# Altium PCB Audio-Beamformer_V1.0.PcbDoc (part 7 of 11)
Units mm, origin at the board's own origin, x right, y up, seen from the top; angles counter-clockwise.
Board outline 300 x 376 mm, 2 copper layers (Top Layer, Bottom Layer), stack 1.548 mm thick; 1137 components, 629 nets, 3569 pads, 2808 vias.
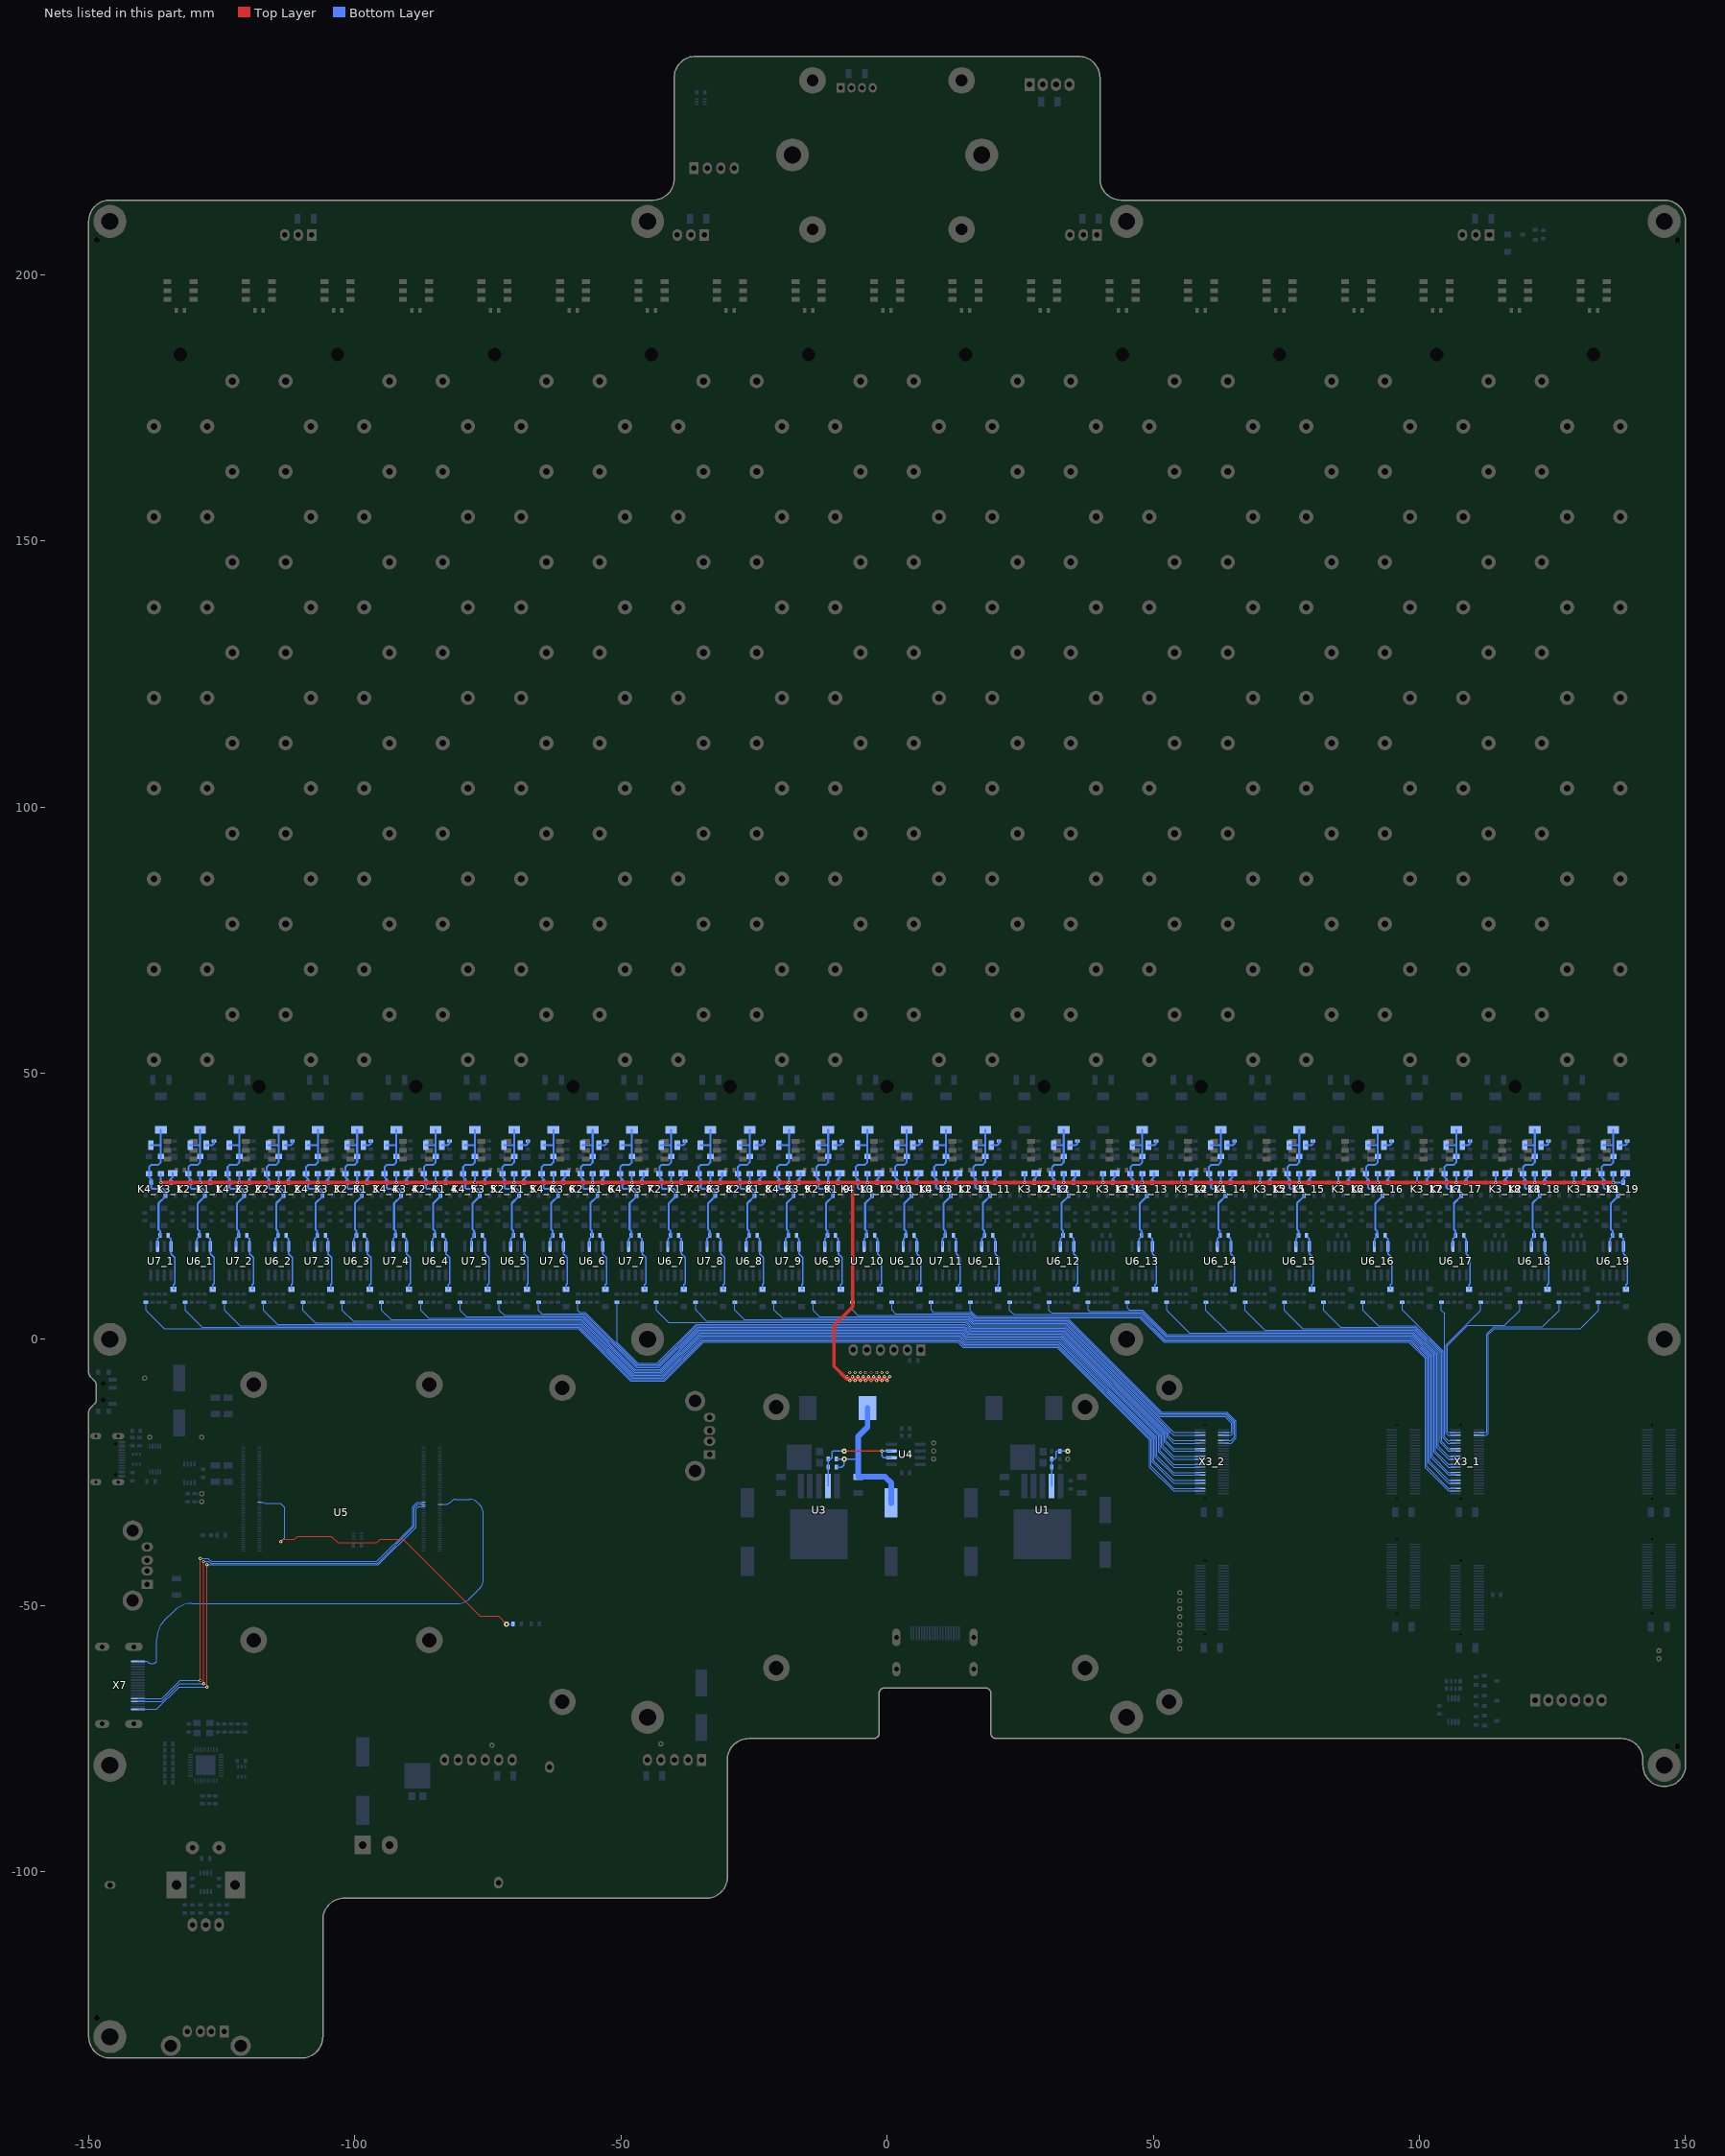
[diagram p7: the nets of this part, all layers, seen from the top]

## Via types
v1: diameter 0.62, hole 0.3, Top Layer to Bottom Layer, tented both sides, 2808 vias

## Nets (pads, with @x,y where several pads share a name; then routed paths per layer and width w, separated by ;. In a path a pad name is that pad's centre, name@x,y a point inside that pad or via, vN(x,y) a via of type N, cw(c..) or ccw(c..) an arc to the next point about the centre after c; other vN are vias at no path point) (continued)
HDMI1_D2_P: U5.146 X7.1 | length 97.4
  Bottom Layer w0.152: X7.1@-140.74,-60.5 -139.283,-60.5 cw(c-139.283,-61.183) -138.8,-60.7 ccw(c-138.413,-60.313) -138.413,-60.86 -137.787,-60.86 ccw(c-137.787,-60.313) -137.4,-60.7 ccw(c-137.883,-60.217) -137.2,-60.217 -137.2,-56.279 cw(c-132.323,-56.279) -135.772,-52.831 -133.99,-51.049 cw(c-130.541,-54.497) -130.541,-49.621 -126.5,-49.621 -81,-49.621 -80.551,-49.621 ccw(c-80.551,-46.7) -78.486,-48.765 -76.676,-46.956 ccw(c-78.742,-44.89) -75.821,-44.89 -75.821,-32.989 ccw(c-78.742,-32.989) -76.676,-30.924 -76.9,-30.7 ccw(c-78.494,-32.294) -78.494,-30.04 -81,-30.04 ccw(c-81,-31.114) -81.759,-30.354 -82.06,-30.655 cw(c-82.748,-29.967) -82.748,-30.94 -82.75,-30.94 -83.315,-30.94 -83.39,-30.94 ccw(c-83.39,-31.04) -83.46,-30.969 cw(c-83.535,-30.894) -83.535,-31 U5.146@-84,-31
HDMI1_HPLG: U5.143 X7.19 | length 84.9
  Top Layer w0.152: v1(-127.8,-65.3) v1(-127.8,-42.35)
  Bottom Layer w0.152: X7.19@-140.74,-69.5 -137.2,-69.5 -133,-65.3 v1(-127.8,-65.3) ; v1(-127.8,-42.35) -95.577,-42.35 -88.5,-35.273 -88.5,-31.8 -88.1,-31.4 U5.143@-87.08,-31.4
HDMI1_SCL: U5.147 X7.15 | length 85
  Top Layer w0.152: v1(-129,-64.1) v1(-129,-41.15)
  Bottom Layer w0.152: X7.15@-140.74,-67.5 -136.2,-67.5 -132.8,-64.1 v1(-129,-64.1) ; v1(-129,-41.15) -127.55,-41.15 -126.95,-41.75 -95.826,-41.75 -89.1,-35.024 -89.1,-31.4 -88.3,-30.6 U5.147@-87.08,-30.6
HDMI1_SDA: U5.145 X7.16 | length 84.8
  Top Layer w0.152: v1(-128.4,-64.7) v1(-128.4,-41.75)
  Bottom Layer w0.152: X7.16@-140.74,-68 -136.2,-68 -132.9,-64.7 v1(-128.4,-64.7) ; v1(-128.4,-41.75) -127.4,-41.75 -127.1,-42.05 -95.701,-42.05 -88.8,-35.149 -88.8,-31.6 -88.2,-31 U5.145@-87.08,-31
HI1: R12_1.1 X3_2.49 | length 222.7
  Bottom Layer w0.152: R12_1.1@-139.225,6.988 -139.225,5.45 -135.781,2.006 -58.048,2.006 -48.189,-7.853 -41.811,-7.853 -34.458,-0.5 13.292,-0.5 14.301,-1.509 31.909,-1.509 49.309,-18.909 49.309,-24.009 53.8,-28.5 X3_2.49@58.8,-28.5
HI2: R12_2.1 X3_2.46 | length 206.9
  Bottom Layer w0.152: R12_2.1@-124.475,6.988 -124.475,5.45 -121.59,2.565 -57.816,2.565 -47.957,-7.294 -42.043,-7.294 -34.69,0.059 13.524,0.059 14.533,-0.95 32.14,-0.95 49.868,-18.678 49.868,-23.068 53.8,-27 X3_2.46@58.8,-27
HI3: R12_3.1 X3_2.43 | length 191.1
  Bottom Layer w0.152: R12_3.1@-109.725,6.988 -109.725,5.45 -107.399,3.124 -57.585,3.124 -47.726,-6.735 -42.274,-6.735 -34.921,0.618 13.755,0.618 14.764,-0.391 32.372,-0.391 50.427,-18.446 50.427,-22.127 53.8,-25.5 X3_2.43@58.8,-25.5
HI4: R12_4.1 X3_2.40 | length 175.3
  Bottom Layer w0.152: R12_4.1@-94.975,6.988 -94.975,5.45 -93.207,3.682 -57.353,3.682 -47.494,-6.176 -42.506,-6.176 -35.153,1.176 13.987,1.176 14.995,0.168 32.603,0.168 50.985,-18.215 50.985,-21.185 53.8,-24 X3_2.40@58.8,-24
HI5: R12_5.1 X3_2.37 | length 159.6
  Bottom Layer w0.152: R12_5.1@-80.225,6.988 -80.225,5.45 -79.016,4.241 -57.122,4.241 -47.263,-5.618 -42.737,-5.618 -35.384,1.735 14.218,1.735 15.227,0.727 32.834,0.727 51.544,-17.983 51.544,-20.244 53.8,-22.5 X3_2.37@58.8,-22.5
HI6: R12_6.1 X3_2.34 | length 143.8
  Bottom Layer w0.152: R12_6.1@-65.475,6.988 -65.475,5.45 -64.825,4.8 -56.89,4.8 -47.031,-5.059 -42.969,-5.059 -35.616,2.294 14.45,2.294 15.458,1.285 33.066,1.285 52.103,-17.752 52.103,-19.303 53.8,-21 X3_2.34@58.8,-21
HI7: R12_7.1 X3_2.31 | length 131.5
  Bottom Layer w0.152: R12_7.1@-50.725,6.988 -50.725,-0.575 -46.8,-4.5 -43.2,-4.5 -35.847,2.853 14.681,2.853 15.69,1.844 33.297,1.844 52.662,-17.52 52.662,-18.362 53.8,-19.5 X3_2.31@58.8,-19.5
HI8: R12_8.1 X3_2.28 | length 106.1
  Bottom Layer w0.152: R12_8.1@-35.975,6.988 -35.975,5.475 -33.912,3.412 14.913,3.412 15.921,2.403 33.529,2.403 53.221,-17.289 53.221,-17.421 53.8,-18 X3_2.28@58.8,-18
HI9: R12_9.1 X3_2.24 | length 99.4
  Bottom Layer w0.152: R12_9.1@-21.225,6.988 -21.225,5.525 -19.67,3.97 15.149,3.97 16.137,2.982 33.768,2.982 51.25,-14.5 63.5,-14.5 64.709,-15.709 64.709,-17.391 64.6,-17.5 X3_2.24@63.2,-17.5
HI10: R12_10.1 X3_2.21 | length 87.1
  Bottom Layer w0.152: R12_10.1@-6.475,6.988 -6.475,5.475 -5.529,4.529 15.381,4.529 16.369,3.541 33.999,3.541 51.481,-13.941 63.731,-13.941 65.268,-15.478 65.268,-18.332 64.6,-19 X3_2.21@63.2,-19
HI11: R12_11.1 X3_1.49 | length 126.1
  Bottom Layer w0.152: R12_11.1@8.275,6.988 8.275,5.5 8.687,5.088 15.612,5.088 16.6,4.1 47.39,4.1 52.001,-0.511 98.011,-0.511 101.1,-3.6 101.1,-24.1 105.5,-28.5 X3_1.49@106.8,-28.5
HI12: R12_12.1 X3_1.46 | length 110.4
  Bottom Layer w0.152: R12_12.1@23.025,6.988 23.025,5.45 23.813,4.662 47.638,4.662 52.238,0.062 98.248,0.062 101.659,-3.349 101.659,-23.159 105.5,-27 X3_1.46@106.8,-27
HI13: R12_13.1 X3_1.43 | length 94.5
  Bottom Layer w0.152: R12_13.1@37.775,6.988 37.775,5.525 38.079,5.221 47.87,5.221 52.47,0.621 98.48,0.621 102.218,-3.117 102.218,-22.218 105.5,-25.5 X3_1.43@106.8,-25.5
HI14: R12_14.1 X3_1.40 | length 78.8
  Bottom Layer w0.152: R12_14.1@52.525,6.988 52.525,5.45 56.796,1.179 98.711,1.179 102.776,-2.886 102.776,-21.276 105.5,-24 X3_1.40@106.8,-24
HI15: R12_15.1 X3_1.37 | length 63
  Bottom Layer w0.152: R12_15.1@67.275,6.988 67.275,5.45 70.987,1.738 98.943,1.738 103.335,-2.654 103.335,-20.335 105.5,-22.5 X3_1.37@106.8,-22.5
HI16: R12_16.1 X3_1.34 | length 47.2
  Bottom Layer w0.152: R12_16.1@82.025,6.988 82.025,5.45 85.178,2.297 99.174,2.297 103.894,-2.423 103.894,-19.394 105.5,-21 X3_1.34@106.8,-21
HI17: R12_17.1 X3_1.31 | length 31.5
  Bottom Layer w0.152: R12_17.1@96.775,6.988 96.775,5.486 104.453,-2.191 104.453,-18.553 105.4,-19.5 X3_1.31@106.8,-19.5
HI18: R12_18.1 X3_1.28 | length 29.2
  Bottom Layer w0.152: X3_1.28@106.8,-18 105.4,-18 105.012,-17.612 105.012,-1.063 111.525,5.45 R12_18.1@111.525,6.988
HI19: R12_19.1 X3_1.24 | length 36.9
  Bottom Layer w0.152: X3_1.24@111.2,-17.5 112.6,-17.5 112.709,-17.391 112.709,1.009 114.021,2.321 123.146,2.321 126.275,5.45 R12_19.1@126.275,6.988
HV: C10.2 C11.2 C12.P C25_1.2 C25_2.2 C25_3.2 C25_4.2 C25_5.2 C25_6.2 C25_7.2 C25_8.2 C25_9.2 C25_10.2 C25_11.2 C25_12.2 C25_13.2 C25_14.2 C25_15.2 C25_16.2 C25_17.2 C25_18.2 C25_19.2 C29_1.2 C29_2.2 C29_3.2 C29_4.2 C29_5.2 C29_6.2 C29_7.2 C29_8.2 C29_9.2 C29_10.2 C29_11.2 C29_12.2 C29_13.2 C29_14.2 C29_15.2 C29_16.2 C29_17.2 C29_18.2 C29_19.2 D6_1.K D6_2.K D6_3.K D6_4.K D6_5.K D6_6.K D6_7.K D6_8.K D6_9.K D6_10.K D6_11.K D6_12.K D6_13.K D6_14.K D6_15.K D6_16.K D6_17.K D6_18.K D6_19.K D11_1.K D11_2.K D11_3.K D11_4.K D11_5.K D11_6.K D11_7.K D11_8.K D11_9.K D11_10.K D11_11.K D11_12.K D11_13.K D11_14.K D11_15.K D11_16.K D11_17.K D11_18.K D11_19.K K1_1.D K1_2.D K1_3.D K1_4.D K1_5.D K1_6.D K1_7.D K1_8.D K1_9.D K1_10.D K1_11.D K1_12.D K1_13.D K1_14.D K1_15.D K1_16.D K1_17.D K1_18.D K1_19.D K3_1.D K3_2.D K3_3.D K3_4.D K3_5.D K3_6.D K3_7.D K3_8.D K3_9.D K3_10.D K3_11.D K3_12.D K3_13.D K3_14.D K3_15.D K3_16.D K3_17.D K3_18.D K3_19.D L2.1 R5.2 TP8.1 | length 557.8
  Top Layer w0.635: v1(-136.445,29.443) v1(-129.07,29.443) v1@-121.697,29.443 ; v1(-121.695,29.443) v1(-114.32,29.443) v1@-106.947,29.443 ; v1(-106.945,29.443) v1@-99.571,29.443 ; v1(-99.57,29.443) v1(-92.195,29.443) ; v1(-92.195,29.443) v1@-84.821,29.443 ; v1(-84.82,29.443) v1(-77.445,29.443) v1(-70.07,29.443) v1@-62.697,29.443 ; v1(-62.695,29.443) v1(-55.32,29.443) v1(-47.945,29.443) ; v1(-47.945,29.443) v1(-40.57,29.443) v1(-33.195,29.443) ; v1(-33.195,29.443) v1(-25.82,29.443) v1(-18.445,29.443) ; v1(-18.445,29.443) v1(-11.07,29.443) v1@-3.697,29.443 ; -6.5,29.4 -6.5,6.1 -10,2.6 -10,-5 -7.5,-7.5 v1@0,-7.5 ; v1(-3.695,29.443) v1(3.68,29.443) v1@11.053,29.443 ; v1(11.055,29.443) v1(18.43,29.443) v1@25.803,29.443 ; v1(25.805,29.443) v1(33.18,29.443) ; v1(33.18,29.443) v1@40.554,29.443 ; v1(40.555,29.443) v1(47.93,29.443) ; v1(47.93,29.443) v1(55.305,29.443) ; v1(55.305,29.443) v1(62.68,29.443) ; v1(62.68,29.443) v1(70.055,29.443) ; v1(70.055,29.443) v1@77.429,29.443 ; v1(77.43,29.443) v1(84.805,29.443) ; v1(84.805,29.443) v1(92.18,29.443) v1@99.553,29.443 ; v1(99.555,29.443) v1(106.93,29.443) v1@114.303,29.443 ; v1(114.305,29.443) v1(121.68,29.443) v1(129.055,29.443) ; v1(129.055,29.443) v1(136.43,29.443)
  Bottom Layer w0.254: C10.2@-9.538,-24 -8.5,-24 -8.05,-23.55 TP8.1@-8.05,-22.5 ; R5.2@-9.538,-22.5 TP8.1@-8.05,-22.5 ; -5.488,-22.5 TP8.1@-8.05,-22.5
  Bottom Layer w0.381: D11_1.K@-136.438,31.13 -136.438,29.45 K3_1.D@-134.594,29.45 -134.594,30.131 -134.225,30.5 C29_1.2@-134.225,31.226 ; D6_1.K@-129.063,31.13 -129.063,29.45 K1_1.D@-127.219,29.45 -127.219,30.131 -126.85,30.5 C25_1.2@-126.85,31.226 ; D11_2.K@-121.688,31.13 -121.688,29.45 K3_2.D@-119.844,29.45 -119.844,30.131 -119.475,30.5 C29_2.2@-119.475,31.226 ; D6_2.K@-114.312,31.13 -114.312,29.45 K1_2.D@-112.469,29.45 -112.469,30.131 -112.1,30.5 C25_2.2@-112.1,31.226 ; D11_3.K@-106.938,31.13 -106.938,29.45 K3_3.D@-105.094,29.45 -105.094,30.131 -104.725,30.5 C29_3.2@-104.725,31.226 ; D6_3.K@-99.563,31.13 -99.563,29.45 K1_3.D@-97.719,29.45 -97.719,30.131 -97.35,30.5 C25_3.2@-97.35,31.226 ; D11_4.K@-92.188,31.13 -92.188,29.45 K3_4.D@-90.344,29.45 -90.344,30.131 -89.975,30.5 C29_4.2@-89.975,31.226 ; D6_4.K@-84.812,31.13 -84.812,29.45 K1_4.D@-82.969,29.45 ; K1_4.D@-82.969,29.45 -82.969,30.131 -82.6,30.5 C25_4.2@-82.6,31.226 ; D11_5.K@-77.438,31.13 -77.438,29.45 K3_5.D@-75.594,29.45 -75.594,30.131 -75.225,30.5 C29_5.2@-75.225,31.226 ; D6_5.K@-70.062,31.13 -70.062,29.45 K1_5.D@-68.219,29.45 -68.219,30.131 -67.85,30.5 C25_5.2@-67.85,31.226 ; D11_6.K@-62.688,31.13 -62.688,29.45 K3_6.D@-60.844,29.45 -60.844,30.131 -60.475,30.5 C29_6.2@-60.475,31.226 ; D6_6.K@-55.313,31.13 -55.313,29.45 K1_6.D@-53.469,29.45 -53.469,30.131 -53.1,30.5 C25_6.2@-53.1,31.226 ; D11_7.K@-47.938,31.13 -47.938,29.45 K3_7.D@-46.094,29.45 -46.094,30.131 -45.725,30.5 C29_7.2@-45.725,31.226 ; D6_7.K@-40.562,31.13 -40.562,29.45 K1_7.D@-38.719,29.45 -38.719,30.131 -38.35,30.5 C25_7.2@-38.35,31.226 ; D11_8.K@-33.188,31.13 -33.188,29.45 K3_8.D@-31.344,29.45 -31.344,30.131 -30.975,30.5 C29_8.2@-30.975,31.226 ; D6_8.K@-25.813,31.13 -25.813,29.45 K1_8.D@-23.969,29.45 -23.969,30.131 -23.6,30.5 C25_8.2@-23.6,31.226 ; D11_9.K@-18.438,31.13 -18.438,29.45 K3_9.D@-16.594,29.45 -16.594,30.131 -16.225,30.5 C29_9.2@-16.225,31.226 ; D6_9.K@-11.063,31.13 -11.063,29.45 K1_9.D@-9.219,29.45 -9.219,30.131 -8.85,30.5 C25_9.2@-8.85,31.226 ; D11_10.K@-3.688,31.13 -3.688,29.45 K3_10.D@-1.844,29.45 -1.844,30.131 -1.475,30.5 C29_10.2@-1.475,31.226 ; D6_10.K@3.688,31.13 3.688,29.45 K1_10.D@5.531,29.45 5.531,30.131 5.9,30.5 C25_10.2@5.9,31.226 ; D11_11.K@11.063,31.13 11.063,29.45 K3_11.D@12.906,29.45 12.906,30.131 13.275,30.5 C29_11.2@13.275,31.226 ; D6_11.K@18.438,31.13 18.438,29.45 K1_11.D@20.281,29.45 20.281,30.131 20.65,30.5 C25_11.2@20.65,31.226 ; D11_12.K@25.813,31.13 25.813,29.45 K3_12.D@27.656,29.45 27.656,30.131 28.025,30.5 C29_12.2@28.025,31.226 ; D6_12.K@33.188,31.13 33.188,29.45 K1_12.D@35.031,29.45 35.031,30.131 35.4,30.5 C25_12.2@35.4,31.226 ; D11_13.K@40.562,31.13 40.562,29.45 K3_13.D@42.406,29.45 42.406,30.131 42.775,30.5 C29_13.2@42.775,31.226 ; D6_13.K@47.938,31.13 47.938,29.45 K1_13.D@49.781,29.45 49.781,30.131 50.15,30.5 C25_13.2@50.15,31.226 ; D11_14.K@55.313,31.13 55.313,29.45 K3_14.D@57.156,29.45 57.156,30.131 57.525,30.5 C29_14.2@57.525,31.226 ; D6_14.K@62.688,31.13 62.688,29.45 K1_14.D@64.531,29.45 64.531,30.131 64.9,30.5 C25_14.2@64.9,31.226 ; D11_15.K@70.062,31.13 70.062,29.45 K3_15.D@71.906,29.45 71.906,30.131 72.275,30.5 C29_15.2@72.275,31.226 ; D6_15.K@77.438,31.13 77.438,29.45 K1_15.D@79.281,29.45 79.281,30.131 79.65,30.5 C25_15.2@79.65,31.226 ; D11_16.K@84.812,31.13 84.812,29.45 K3_16.D@86.656,29.45 86.656,30.131 87.025,30.5 C29_16.2@87.025,31.226 ; D6_16.K@92.188,31.13 92.188,29.45 K1_16.D@94.031,29.45 94.031,30.131 94.4,30.5 C25_16.2@94.4,31.226 ; D11_17.K@99.563,31.13 99.563,29.45 K3_17.D@101.406,29.45 101.406,30.131 101.775,30.5 C29_17.2@101.775,31.226 ; D6_17.K@106.938,31.13 106.938,29.45 K1_17.D@108.781,29.45 108.781,30.131 109.15,30.5 C25_17.2@109.15,31.226 ; D11_18.K@114.312,31.13 114.312,29.45 K3_18.D@116.156,29.45 116.156,30.131 116.525,30.5 C29_18.2@116.525,31.226 ; D6_18.K@121.688,31.13 121.688,29.45 K1_18.D@123.531,29.45 123.531,30.131 123.9,30.5 C25_18.2@123.9,31.226 ; D11_19.K@129.063,31.13 129.063,29.45 K3_19.D@130.906,29.45 130.906,30.131 131.275,30.5 C29_19.2@131.275,31.226 ; D6_19.K@136.438,31.13 136.438,29.45 K1_19.D@138.281,29.45 138.281,30.131 138.65,30.5 C25_19.2@138.65,31.226
  Bottom Layer w1.067: L2.1@-3.675,-12.875 -3.675,-16.475 -5.45,-18.25 -5.45,-22.5 C11.2@-5.45,-25.826 -0.374,-25.826 0.75,-26.95 C12.P@0.75,-30.75
  other v1: -7,-7.75 -6,-7.75 -5,-7.75 -4,-7.75 -3,-7.75 -2,-7.75 -1,-7.75 0,-7.75 -7.5,-7 -6.5,-7 -5.5,-7 -4.5,-7 -3.5,-7 -2.5,-7 -1.5,-7 -0.5,-7 0.5,-7 -7,-6.25 -6,-6.25 -5,-6.25 -4,-6.25 -3,-6.25 -2,-6.25 -1,-6.25 0,-6.25
HV_EN: R9.2 TP10.1 U5.48 | length 63.7
  Top Layer w0.152: v1(-113.9,-38) -113.5,-37.6 -111.4,-37.6 -110.78,-36.98 -104.393,-36.98 -103.173,-38.2 -95.827,-38.2 -95.23,-37.603 -90.923,-37.603 -76.526,-52 -73,-52 TP10.1@-71.5,-53.5 TP10.1@-71.186,-53.814
  Bottom Layer w0.152: U5.48@-117.92,-30.6 -117.1,-30.6 -116.9,-30.8 -114,-30.8 -113.2,-31.6 -113.2,-37.3 v1(-113.9,-38) ; TP10.1@-71.5,-53.5 R9.2@-70.262,-53.5
LI1: R14_1.1 X3_2.48 | length 215.1
  Bottom Layer w0.152: R14_1.1@-131.85,6.988 -131.85,5.45 -128.685,2.285 -57.932,2.285 -48.073,-7.573 -41.927,-7.573 -34.574,-0.221 13.408,-0.221 14.417,-1.229 32.024,-1.229 49.588,-18.793 49.588,-23.788 53.8,-28 X3_2.48@58.8,-28
LI2: R14_2.1 X3_2.45 | length 199.3
  Bottom Layer w0.152: R14_2.1@-117.1,6.988 -117.1,5.45 -114.494,2.844 -57.7,2.844 -47.842,-7.015 -42.158,-7.015 -34.806,0.338 13.64,0.338 14.648,-0.67 32.256,-0.67 50.147,-18.562 50.147,-22.847 53.8,-26.5 X3_2.45@58.8,-26.5
LI3: R14_3.1 X3_2.42 | length 183.5
  Bottom Layer w0.152: R14_3.1@-102.35,6.988 -102.35,5.45 -100.303,3.403 -57.469,3.403 -47.61,-6.456 -42.39,-6.456 -35.037,0.897 13.871,0.897 14.88,-0.112 32.487,-0.112 50.706,-18.33 50.706,-21.906 53.8,-25 X3_2.42@58.8,-25
LI4: R14_4.1 X3_2.39 | length 167.7
  Bottom Layer w0.152: R14_4.1@-87.6,6.988 -87.6,5.45 -86.112,3.962 -57.237,3.962 -47.379,-5.897 -42.621,-5.897 -35.269,1.456 14.103,1.456 15.111,0.447 32.719,0.447 51.265,-18.099 51.265,-20.965 53.8,-23.5 X3_2.39@58.8,-23.5
LI5: R14_5.1 X3_2.36 | length 151.9
  Bottom Layer w0.152: R14_5.1@-72.85,6.988 -72.85,5.45 -71.921,4.521 -57.006,4.521 -47.147,-5.338 -42.853,-5.338 -35.5,2.015 14.334,2.015 15.343,1.006 32.95,1.006 51.824,-17.867 51.824,-20.024 53.8,-22 X3_2.36@58.8,-22
LI6: R14_6.1 X3_2.33 | length 136.1
  Bottom Layer w0.152: R14_6.1@-58.1,6.988 -58.1,5.45 -57.729,5.079 -56.775,5.079 -46.916,-4.779 -43.084,-4.779 -35.731,2.573 14.566,2.573 15.574,1.565 33.182,1.565 52.382,-17.636 52.382,-19.082 53.8,-20.5 X3_2.33@58.8,-20.5
LI7: R14_7.1 X3_2.30 | length 114.2
  Bottom Layer w0.152: R14_7.1@-43.35,6.988 -43.35,5.45 -41.032,3.132 14.797,3.132 15.806,2.124 33.413,2.124 52.941,-17.404 52.941,-18.141 53.8,-19 X3_2.30@58.8,-19
LI8: R14_8.1 X3_2.27 | length 98.4
  Bottom Layer w0.152: R14_8.1@-28.6,6.988 -28.6,5.5 -26.791,3.691 15.028,3.691 16.037,2.682 33.645,2.682 53.827,-17.5 X3_2.27@58.8,-17.5
LI9: R14_9.1 X3_2.23 | length 93.1
  Bottom Layer w0.152: R14_9.1@-13.85,6.988 -13.85,5.45 -12.65,4.25 15.265,4.25 16.253,3.262 33.883,3.262 51.366,-14.221 63.616,-14.221 64.988,-15.593 64.988,-17.612 64.6,-18 X3_2.23@63.2,-18
LI10: R14_10.1 X3_2.20 | length 80.7
  Bottom Layer w0.152: R14_10.1@0.9,6.988 0.9,5.5 1.591,4.809 15.496,4.809 16.484,3.821 34.115,3.821 51.597,-13.662 63.847,-13.662 65.193,-15.007 65.547,-15.362 65.547,-18.553 64.6,-19.5 X3_2.20@63.2,-19.5
LI11: R14_11.1 X3_1.48 | length 118.5
  Bottom Layer w0.152: R14_11.1@15.65,6.988 15.65,5.45 16.718,4.382 47.522,4.382 52.122,-0.218 98.132,-0.218 101.379,-3.465 101.379,-23.879 105.5,-28 X3_1.48@106.8,-28
LI12: R14_12.1 X3_1.45 | length 102.7
  Bottom Layer w0.152: R14_12.1@30.4,6.988 30.4,5.45 30.909,4.941 47.754,4.941 52.354,0.341 98.364,0.341 101.938,-3.233 101.938,-22.938 105.5,-26.5 X3_1.45@106.8,-26.5
LI13: R14_13.1 X3_1.42 | length 86.7
  Bottom Layer w0.152: R14_13.1@45.15,6.988 45.15,5.85 45.5,5.5 47.985,5.5 52.585,0.9 98.595,0.9 102.497,-3.002 102.497,-21.997 105.5,-25 X3_1.42@106.8,-25
LI14: R14_14.1 X3_1.39 | length 71.1
  Bottom Layer w0.152: R14_14.1@59.9,6.988 59.9,5.45 63.891,1.459 98.827,1.459 103.056,-2.77 103.056,-21.056 105.5,-23.5 X3_1.39@106.8,-23.5
LI15: R14_15.1 X3_1.36 | length 55.4
  Bottom Layer w0.152: R14_15.1@74.65,6.988 74.65,5.45 78.082,2.018 99.058,2.018 103.615,-2.539 103.615,-20.115 105.5,-22 X3_1.36@106.8,-22
LI16: R14_16.1 X3_1.33 | length 39.6
  Bottom Layer w0.152: R14_16.1@89.4,6.988 89.4,5.45 92.274,2.576 99.29,2.576 104.173,-2.307 104.173,-19.173 105.5,-20.5 X3_1.33@106.8,-20.5
LI17: R14_17.1 X3_1.30 | length 27.9
  Bottom Layer w0.152: R14_17.1@104.15,6.988 104.15,5.45 104.732,4.868 104.732,-18.332 105.4,-19 X3_1.30@106.8,-19
LI18: R14_18.1 X3_1.27 | length 35.7
  Bottom Layer w0.152: X3_1.27@106.8,-17.5 105.4,-17.5 105.291,-17.391 105.291,-1.179 109.07,2.6 116.05,2.6 118.9,5.45 R14_18.1@118.9,6.988
LI19: R14_19.1 X3_1.23 | length 44.5
  Bottom Layer w0.152: X3_1.23@111.2,-18 112.6,-18 112.988,-17.612 112.988,0.893 114.136,2.041 130.241,2.041 133.65,5.45 R14_19.1@133.65,6.988
NetC1_1: C1.1 R2.1 R4.1 TP6.1 U1.4 | length 9.3
  Bottom Layer w0.254: U1.4@30.9,-27.525 30.9,-24.038 C1.1@30.938,-24 R2.1@30.938,-22.5 31.4,-22.5 31.7,-22.2 31.7,-21.2 31.9,-21 R4.1@32.462,-21 TP6.1@33.95,-21
NetC10_1: C10.1 R5.1 TP9.1 U3.4 U4.6 U4.7 | length 21
  Top Layer w0.254: TP9.1@-8.05,-21 v1(-1,-21)
  Bottom Layer w0.254: U3.4@-11.1,-27.525 -11.1,-24.038 C10.1@-11.062,-24 R5.1@-11.062,-22.5 -10.6,-22.5 -10.3,-22.2 -10.3,-21.2 -10.1,-21 TP9.1@-8.05,-21 ; U4.6@0.8,-22.235 -0.665,-22.235 -1,-21.9 v1(-1,-21) -0.965,-20.965 U4.7@0.8,-20.965
NetC27_1_1: C27_1.1 D6_1.A D8_1.K K1_1.S K2_1.D L3_1.1 R15_1.2 U6_1.6 | length 28.7
  Bottom Layer w0.254: U6_1.6@-129.697,17.45 -129.697,18.855 C27_1.1@-129.199,19.353
  Bottom Layer w0.381: R15_1.2@-130.955,36.5 -129.063,36.5 ; C27_1.1@-129.2,19.5 -129.199,20.339 -129.5,20.639 -129.5,25.563 -128.169,26.894 K1_1.S@-128.169,27.05 -128.22,27.101 -128.22,27.895 -128.575,28.25 -130.656,28.25 -130.906,28.5 K2_1.D@-130.906,29.45 -130.906,30.131 -131.275,30.5 D8_1.K@-131.275,31.13 -131.275,32.381 -130.906,32.75 -129.562,32.75 -129.063,33.25 D6_1.A@-129.063,34.37 -129.063,36.5 ; L3_1.1@-129.063,39.35 -129.063,36.5
NetC27_1_2: C27_1.2 D4_1.K U6_1.8 | length 10.3
  Bottom Layer w0.254: C27_1.2@-127.485,19.168 -127.157,18.84 U6_1.8@-127.157,17.45 -127.157,16.046 -126.442,15.331 -126.442,10.5 -126.681,10.261 D4_1.K@-126.681,9.37